# KiCad board INS-1 Matrix Display.kicad_pcb (continued)
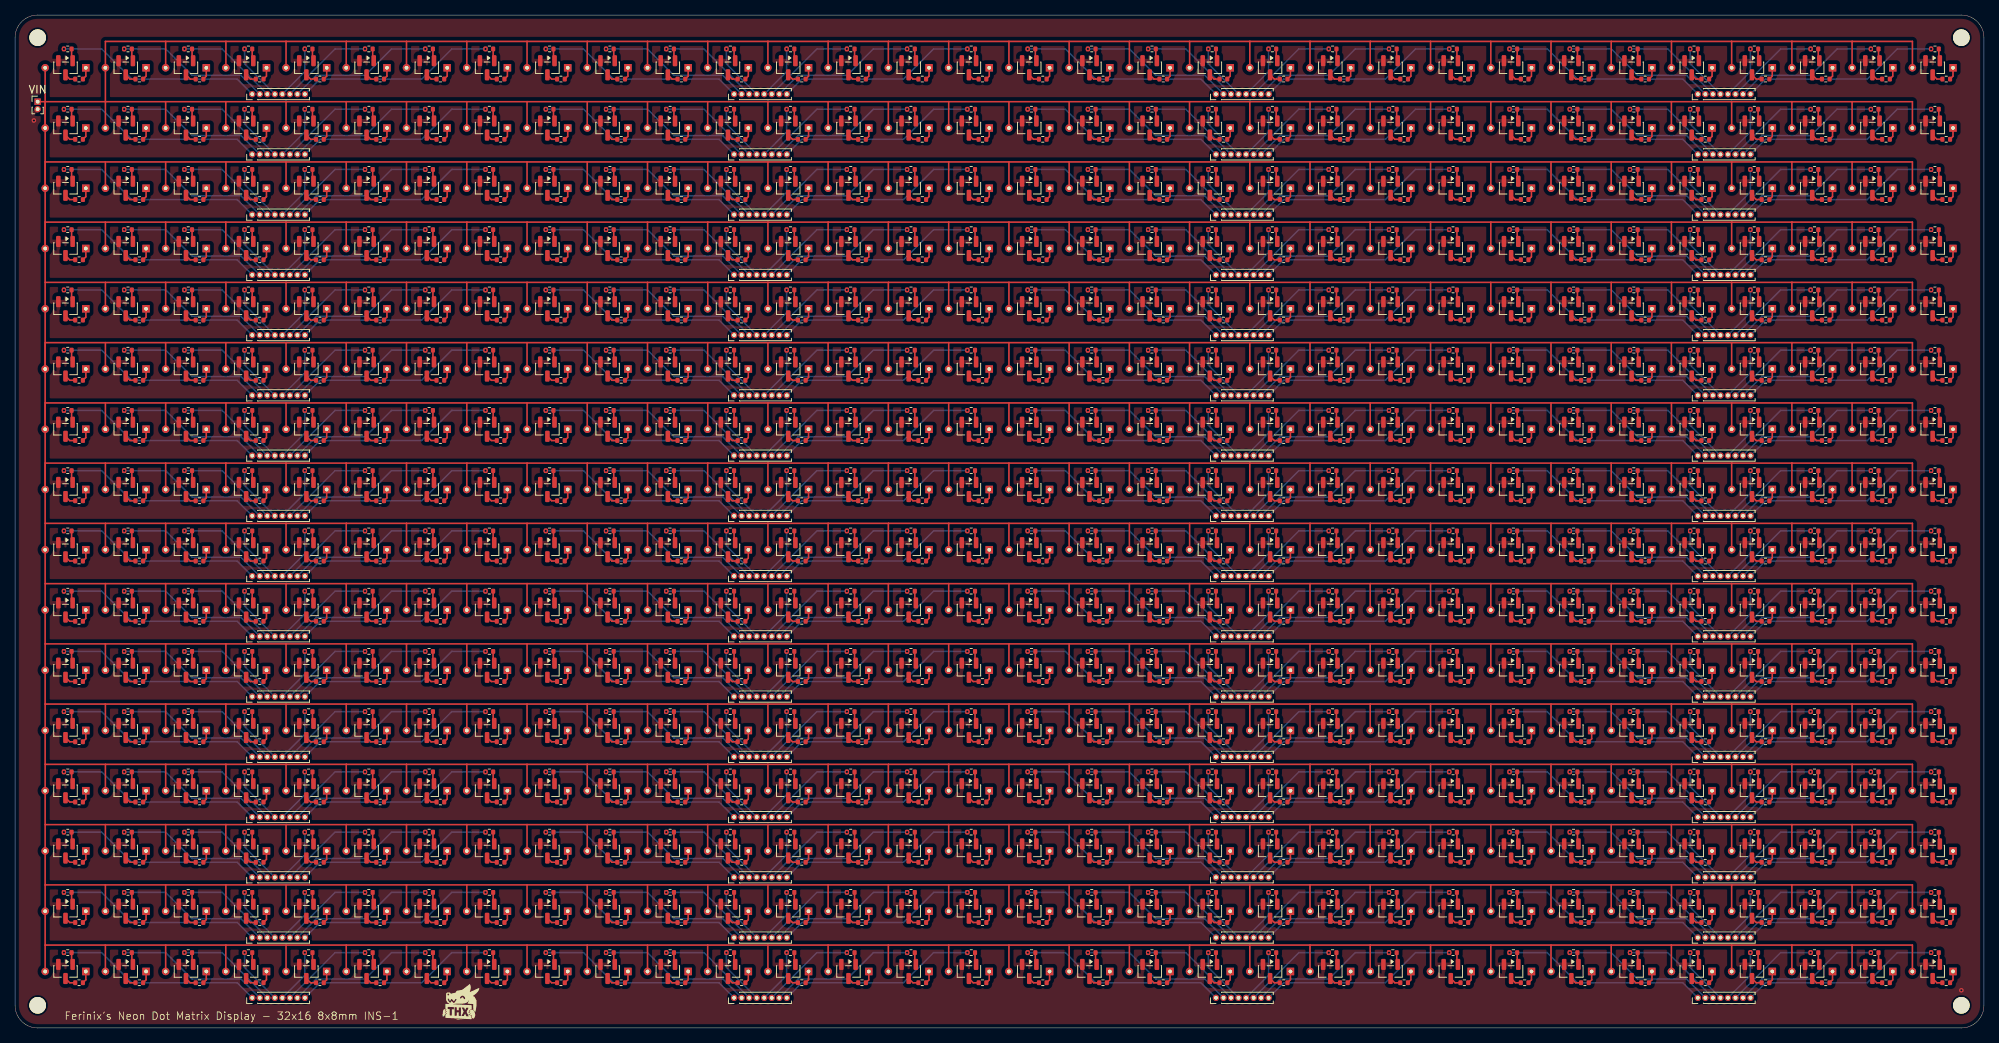
[diagram p0: board, top side]
## Placement (name value [footprint] x y rotation side) (continued)
G***  LOGO  [dragnthx]  58.78 -8.89 0 top
MMBTA42  -  [SOT-23]  94.69 55.5 270 top
MMBTA42#2  -  [SOT-23]  134.7 15.5 270 top
MMBTA42#3  -  [SOT-23]  54.69 79.5 270 top
MMBTA42#4  -  [SOT-23]  6.7 47.5 270 top
MMBTA42#5  -  [SOT-23]  54.69 7.5 270 top
MMBTA42#6  -  [SOT-23]  166.69 55.5 270 top
MMBTA42#7  -  [SOT-23]  198.7 111.5 270 top
MMBTA42#8  -  [SOT-23]  78.7 63.5 270 top
MMBTA42#9  -  [SOT-23]  126.69 15.5 270 top
MMBTA42#10  -  [SOT-23]  134.7 127.5 270 top
MMBTA42#11  -  [SOT-23]  158.69 87.5 270 top
MMBTA42#12  -  [SOT-23]  214.7 119.5 270 top
MMBTA42#13  -  [SOT-23]  206.7 103.5 270 top
MMBTA42#14  -  [SOT-23]  206.7 79.5 270 top
MMBTA42#15  -  [SOT-23]  54.69 87.5 270 top
MMBTA42#16  -  [SOT-23]  214.7 31.5 270 top
MMBTA42#17  -  [SOT-23]  110.69 39.5 270 top
MMBTA42#18  -  [SOT-23]  78.7 47.5 270 top
MMBTA42#19  -  [SOT-23]  182.69 127.5 270 top
MMBTA42#20  -  [SOT-23]  38.69 119.5 270 top
MMBTA42#21  -  [SOT-23]  230.69 87.5 270 top
MMBTA42#22  -  [SOT-23]  206.7 47.5 270 top
MMBTA42#23  -  [SOT-23]  190.69 31.5 270 top
MMBTA42#24  -  [SOT-23]  158.69 79.5 270 top
MMBTA42#25  -  [SOT-23]  22.7 15.5 270 top
MMBTA42#26  -  [SOT-23]  78.7 87.5 270 top
MMBTA42#27  -  [SOT-23]  46.69 47.5 270 top
MMBTA42#28  -  [SOT-23]  182.69 39.5 270 top
MMBTA42#29  -  [SOT-23]  134.7 71.5 270 top
MMBTA42#30  -  [SOT-23]  238.69 103.5 270 top
MMBTA42#31  -  [SOT-23]  174.69 23.5 270 top
MMBTA42#32  -  [SOT-23]  46.69 87.5 270 top
MMBTA42#33  -  [SOT-23]  86.7 47.5 270 top
MMBTA42#34  -  [SOT-23]  190.69 103.5 270 top
MMBTA42#35  -  [SOT-23]  222.69 47.5 270 top
MMBTA42#36  -  [SOT-23]  86.7 7.5 270 top
MMBTA42#37  -  [SOT-23]  14.7 63.5 270 top
MMBTA42#38  -  [SOT-23]  134.7 95.5 270 top
MMBTA42#39  -  [SOT-23]  118.69 23.5 270 top
MMBTA42#40  -  [SOT-23]  230.69 47.5 270 top
MMBTA42#41  -  [SOT-23]  182.69 103.5 270 top
MMBTA42#42  -  [SOT-23]  102.69 95.5 270 top
MMBTA42#43  -  [SOT-23]  174.69 127.5 270 top
MMBTA42#44  -  [SOT-23]  62.69 23.5 270 top
MMBTA42#45  -  [SOT-23]  14.7 23.5 270 top
MMBTA42#46  -  [SOT-23]  158.69 119.5 270 top
MMBTA42#47  -  [SOT-23]  182.69 71.5 270 top
MMBTA42#48  -  [SOT-23]  86.7 87.5 270 top
MMBTA42#49  -  [SOT-23]  150.7 103.5 270 top
MMBTA42#50  -  [SOT-23]  222.69 31.5 270 top
MMBTA42#51  -  [SOT-23]  110.69 127.5 270 top
MMBTA42#52  -  [SOT-23]  254.69 79.5 270 top
MMBTA42#53  -  [SOT-23]  102.69 55.5 270 top
MMBTA42#54  -  [SOT-23]  246.69 7.5 270 top
MMBTA42#55  -  [SOT-23]  142.7 71.5 270 top
MMBTA42#56  -  [SOT-23]  198.7 87.5 270 top
MMBTA42#57  -  [SOT-23]  86.7 23.5 270 top
MMBTA42#58  -  [SOT-23]  166.69 127.5 270 top
MMBTA42#59  -  [SOT-23]  182.69 79.5 270 top
MMBTA42#60  -  [SOT-23]  254.69 103.5 270 top
MMBTA42#61  -  [SOT-23]  190.69 95.5 270 top
MMBTA42#62  -  [SOT-23]  14.7 127.5 270 top
MMBTA42#63  -  [SOT-23]  38.69 7.5 270 top
MMBTA42#64  -  [SOT-23]  190.69 87.5 270 top
MMBTA42#65  -  [SOT-23]  174.69 55.5 270 top
MMBTA42#66  -  [SOT-23]  222.69 63.5 270 top
MMBTA42#67  -  [SOT-23]  102.69 7.5 270 top
MMBTA42#68  -  [SOT-23]  150.7 95.5 270 top
MMBTA42#69  -  [SOT-23]  134.7 103.5 270 top
MMBTA42#70  -  [SOT-23]  238.69 71.5 270 top
MMBTA42#71  -  [SOT-23]  246.69 119.5 270 top
MMBTA42#72  -  [SOT-23]  94.69 71.5 270 top
MMBTA42#73  -  [SOT-23]  62.69 39.5 270 top
MMBTA42#74  -  [SOT-23]  254.69 31.5 270 top
MMBTA42#75  -  [SOT-23]  70.7 39.5 270 top
MMBTA42#76  -  [SOT-23]  78.7 111.5 270 top
MMBTA42#77  -  [SOT-23]  134.7 119.5 270 top
MMBTA42#78  -  [SOT-23]  118.69 71.5 270 top
MMBTA42#79  -  [SOT-23]  6.7 127.5 270 top
MMBTA42#80  -  [SOT-23]  190.69 55.5 270 top
MMBTA42#81  -  [SOT-23]  254.69 127.5 270 top
MMBTA42#82  -  [SOT-23]  126.69 31.5 270 top
MMBTA42#83  -  [SOT-23]  222.69 39.5 270 top
MMBTA42#84  -  [SOT-23]  62.69 71.5 270 top
MMBTA42#85  -  [SOT-23]  206.7 71.5 270 top
MMBTA42#86  -  [SOT-23]  142.7 47.5 270 top
MMBTA42#87  -  [SOT-23]  126.69 47.5 270 top
MMBTA42#88  -  [SOT-23]  86.7 63.5 270 top
MMBTA42#89  -  [SOT-23]  206.7 119.5 270 top
MMBTA42#90  -  [SOT-23]  62.69 119.5 270 top
MMBTA42#91  -  [SOT-23]  94.69 79.5 270 top
MMBTA42#92  -  [SOT-23]  150.7 111.5 270 top
MMBTA42#93  -  [SOT-23]  198.7 55.5 270 top
MMBTA42#94  -  [SOT-23]  126.69 95.5 270 top
MMBTA42#95  -  [SOT-23]  110.69 15.5 270 top
MMBTA42#96  -  [SOT-23]  190.69 63.5 270 top
MMBTA42#97  -  [SOT-23]  174.69 63.5 270 top
MMBTA42#98  -  [SOT-23]  214.7 47.5 270 top
MMBTA42#99  -  [SOT-23]  6.7 55.5 270 top
MMBTA42#100  -  [SOT-23]  30.69 79.5 270 top
MMBTA42#101  -  [SOT-23]  142.7 31.5 270 top
MMBTA42#102  -  [SOT-23]  182.69 63.5 270 top
MMBTA42#103  -  [SOT-23]  174.69 111.5 270 top
MMBTA42#104  -  [SOT-23]  6.7 39.5 270 top
MMBTA42#105  -  [SOT-23]  150.7 71.5 270 top
MMBTA42#106  -  [SOT-23]  182.69 23.5 270 top
MMBTA42#107  -  [SOT-23]  30.69 119.5 270 top
MMBTA42#108  -  [SOT-23]  70.7 23.5 270 top
MMBTA42#109  -  [SOT-23]  158.69 95.5 270 top
MMBTA42#110  -  [SOT-23]  46.69 63.5 270 top
MMBTA42#111  -  [SOT-23]  158.69 71.5 270 top
MMBTA42#112  -  [SOT-23]  46.69 103.5 270 top
MMBTA42#113  -  [SOT-23]  198.7 79.5 270 top
MMBTA42#114  -  [SOT-23]  54.69 47.5 270 top
MMBTA42#115  -  [SOT-23]  190.69 47.5 270 top
MMBTA42#116  -  [SOT-23]  238.69 31.5 270 top
MMBTA42#117  -  [SOT-23]  94.69 103.5 270 top
MMBTA42#118  -  [SOT-23]  198.7 23.5 270 top
MMBTA42#119  -  [SOT-23]  214.7 127.5 270 top
MMBTA42#120  -  [SOT-23]  54.69 23.5 270 top
MMBTA42#121  -  [SOT-23]  126.69 55.5 270 top
MMBTA42#122  -  [SOT-23]  70.7 127.5 270 top
MMBTA42#123  -  [SOT-23]  166.69 111.5 270 top
MMBTA42#124  -  [SOT-23]  214.7 79.5 270 top
MMBTA42#125  -  [SOT-23]  238.69 119.5 270 top
MMBTA42#126  -  [SOT-23]  14.7 7.5 270 top
MMBTA42#127  -  [SOT-23]  254.69 47.5 270 top
MMBTA42#128  -  [SOT-23]  222.69 119.5 270 top
MMBTA42#129  -  [SOT-23]  134.7 39.5 270 top
MMBTA42#130  -  [SOT-23]  46.69 71.5 270 top
MMBTA42#131  -  [SOT-23]  102.69 39.5 270 top
MMBTA42#132  -  [SOT-23]  182.69 119.5 270 top
MMBTA42#133  -  [SOT-23]  230.69 15.5 270 top
MMBTA42#134  -  [SOT-23]  230.69 119.5 270 top
MMBTA42#135  -  [SOT-23]  54.69 103.5 270 top
MMBTA42#136  -  [SOT-23]  142.7 23.5 270 top
MMBTA42#137  -  [SOT-23]  102.69 15.5 270 top
MMBTA42#138  -  [SOT-23]  158.69 15.5 270 top
MMBTA42#139  -  [SOT-23]  6.7 23.5 270 top
MMBTA42#140  -  [SOT-23]  46.69 111.5 270 top
MMBTA42#141  -  [SOT-23]  110.69 119.5 270 top
MMBTA42#142  -  [SOT-23]  182.69 47.5 270 top
MMBTA42#143  -  [SOT-23]  230.69 127.5 270 top
MMBTA42#144  -  [SOT-23]  110.69 55.5 270 top
MMBTA42#145  -  [SOT-23]  86.7 71.5 270 top
MMBTA42#146  -  [SOT-23]  238.69 39.5 270 top
MMBTA42#147  -  [SOT-23]  150.7 7.5 270 top
MMBTA42#148  -  [SOT-23]  30.69 15.5 270 top
MMBTA42#149  -  [SOT-23]  222.69 95.5 270 top
MMBTA42#150  -  [SOT-23]  238.69 7.5 270 top
MMBTA42#151  -  [SOT-23]  110.69 7.5 270 top
MMBTA42#152  -  [SOT-23]  126.69 119.5 270 top
MMBTA42#153  -  [SOT-23]  222.69 111.5 270 top
MMBTA42#154  -  [SOT-23]  110.69 71.5 270 top
MMBTA42#155  -  [SOT-23]  94.69 95.5 270 top
MMBTA42#156  -  [SOT-23]  30.69 47.5 270 top
MMBTA42#157  -  [SOT-23]  214.7 23.5 270 top
MMBTA42#158  -  [SOT-23]  190.69 7.5 270 top
MMBTA42#159  -  [SOT-23]  198.7 63.5 270 top
MMBTA42#160  -  [SOT-23]  86.7 127.5 270 top
MMBTA42#161  -  [SOT-23]  254.69 119.5 270 top
MMBTA42#162  -  [SOT-23]  230.69 79.5 270 top
MMBTA42#163  -  [SOT-23]  94.69 15.5 270 top
MMBTA42#164  -  [SOT-23]  118.69 31.5 270 top
MMBTA42#165  -  [SOT-23]  62.69 47.5 270 top
MMBTA42#166  -  [SOT-23]  46.69 127.5 270 top
MMBTA42#167  -  [SOT-23]  38.69 87.5 270 top
MMBTA42#168  -  [SOT-23]  62.69 63.5 270 top
MMBTA42#169  -  [SOT-23]  150.7 39.5 270 top
MMBTA42#170  -  [SOT-23]  230.69 55.5 270 top
MMBTA42#171  -  [SOT-23]  190.69 39.5 270 top
MMBTA42#172  -  [SOT-23]  6.7 7.5 270 top
MMBTA42#173  -  [SOT-23]  62.69 31.5 270 top
MMBTA42#174  -  [SOT-23]  14.7 119.5 270 top
MMBTA42#175  -  [SOT-23]  166.69 63.5 270 top
MMBTA42#176  -  [SOT-23]  222.69 23.5 270 top
MMBTA42#177  -  [SOT-23]  94.69 39.5 270 top
MMBTA42#178  -  [SOT-23]  78.7 39.5 270 top
MMBTA42#179  -  [SOT-23]  62.69 55.5 270 top
MMBTA42#180  -  [SOT-23]  126.69 71.5 270 top
MMBTA42#181  -  [SOT-23]  94.69 119.5 270 top
MMBTA42#182  -  [SOT-23]  22.7 111.5 270 top
MMBTA42#183  -  [SOT-23]  78.7 7.5 270 top
MMBTA42#184  -  [SOT-23]  174.69 79.5 270 top
MMBTA42#185  -  [SOT-23]  222.69 127.5 270 top
MMBTA42#186  -  [SOT-23]  6.7 103.5 270 top
MMBTA42#187  -  [SOT-23]  134.7 7.5 270 top
MMBTA42#188  -  [SOT-23]  22.7 103.5 270 top
MMBTA42#189  -  [SOT-23]  134.7 55.5 270 top
MMBTA42#190  -  [SOT-23]  158.69 23.5 270 top
MMBTA42#191  -  [SOT-23]  222.69 79.5 270 top
MMBTA42#192  -  [SOT-23]  246.69 111.5 270 top
MMBTA42#193  -  [SOT-23]  30.69 7.5 270 top
MMBTA42#194  -  [SOT-23]  86.7 31.5 270 top
MMBTA42#195  -  [SOT-23]  94.69 127.5 270 top
MMBTA42#196  -  [SOT-23]  150.7 87.5 270 top
MMBTA42#197  -  [SOT-23]  30.69 103.5 270 top
MMBTA42#198  -  [SOT-23]  158.69 39.5 270 top
MMBTA42#199  -  [SOT-23]  246.69 103.5 270 top
MMBTA42#200  -  [SOT-23]  62.69 127.5 270 top
MMBTA42#201  -  [SOT-23]  254.69 95.5 270 top
MMBTA42#202  -  [SOT-23]  22.7 55.5 270 top
MMBTA42#203  -  [SOT-23]  206.7 31.5 270 top
MMBTA42#204  -  [SOT-23]  206.7 39.5 270 top
MMBTA42#205  -  [SOT-23]  246.69 63.5 270 top
MMBTA42#206  -  [SOT-23]  46.69 79.5 270 top
MMBTA42#207  -  [SOT-23]  150.7 55.5 270 top
MMBTA42#208  -  [SOT-23]  102.69 79.5 270 top
MMBTA42#209  -  [SOT-23]  158.69 55.5 270 top
MMBTA42#210  -  [SOT-23]  102.69 47.5 270 top
MMBTA42#211  -  [SOT-23]  126.69 103.5 270 top
MMBTA42#212  -  [SOT-23]  182.69 31.5 270 top
MMBTA42#213  -  [SOT-23]  54.69 15.5 270 top
MMBTA42#214  -  [SOT-23]  214.7 63.5 270 top
MMBTA42#215  -  [SOT-23]  198.7 31.5 270 top
MMBTA42#216  -  [SOT-23]  206.7 55.5 270 top
MMBTA42#217  -  [SOT-23]  254.69 55.5 270 top
MMBTA42#218  -  [SOT-23]  206.7 127.5 270 top
MMBTA42#219  -  [SOT-23]  38.69 39.5 270 top
MMBTA42#220  -  [SOT-23]  6.7 87.5 270 top
MMBTA42#221  -  [SOT-23]  206.7 63.5 270 top
MMBTA42#222  -  [SOT-23]  150.7 15.5 270 top
MMBTA42#223  -  [SOT-23]  166.69 87.5 270 top
MMBTA42#224  -  [SOT-23]  198.7 39.5 270 top
MMBTA42#225  -  [SOT-23]  126.69 63.5 270 top
MMBTA42#226  -  [SOT-23]  78.7 127.5 270 top
MMBTA42#227  -  [SOT-23]  110.69 103.5 270 top
MMBTA42#228  -  [SOT-23]  206.7 87.5 270 top
MMBTA42#229  -  [SOT-23]  246.69 15.5 270 top
MMBTA42#230  -  [SOT-23]  134.7 111.5 270 top
MMBTA42#231  -  [SOT-23]  14.7 71.5 270 top
MMBTA42#232  -  [SOT-23]  142.7 119.5 270 top
MMBTA42#233  -  [SOT-23]  166.69 39.5 270 top
MMBTA42#234  -  [SOT-23]  246.69 39.5 270 top
MMBTA42#235  -  [SOT-23]  46.69 15.5 270 top
MMBTA42#236  -  [SOT-23]  142.7 111.5 270 top
MMBTA42#237  -  [SOT-23]  254.69 87.5 270 top
MMBTA42#238  -  [SOT-23]  86.7 111.5 270 top
MMBTA42#239  -  [SOT-23]  118.69 55.5 270 top
MMBTA42#240  -  [SOT-23]  222.69 87.5 270 top
MMBTA42#241  -  [SOT-23]  230.69 111.5 270 top
MMBTA42#242  -  [SOT-23]  70.7 95.5 270 top
MMBTA42#243  -  [SOT-23]  206.7 23.5 270 top
MMBTA42#244  -  [SOT-23]  166.69 119.5 270 top
MMBTA42#245  -  [SOT-23]  198.7 15.5 270 top
MMBTA42#246  -  [SOT-23]  214.7 7.5 270 top
MMBTA42#247  -  [SOT-23]  118.69 39.5 270 top
MMBTA42#248  -  [SOT-23]  62.69 7.5 270 top
MMBTA42#249  -  [SOT-23]  142.7 63.5 270 top
MMBTA42#250  -  [SOT-23]  126.69 127.5 270 top
MMBTA42#251  -  [SOT-23]  6.7 63.5 270 top
MMBTA42#252  -  [SOT-23]  222.69 71.5 270 top
MMBTA42#253  -  [SOT-23]  182.69 55.5 270 top
MMBTA42#254  -  [SOT-23]  174.69 119.5 270 top
MMBTA42#255  -  [SOT-23]  14.7 79.5 270 top
MMBTA42#256  -  [SOT-23]  102.69 111.5 270 top
MMBTA42#257  -  [SOT-23]  30.69 55.5 270 top
MMBTA42#258  -  [SOT-23]  174.69 71.5 270 top
MMBTA42#259  -  [SOT-23]  246.69 127.5 270 top
MMBTA42#260  -  [SOT-23]  102.69 103.5 270 top
MMBTA42#261  -  [SOT-23]  110.69 95.5 270 top
MMBTA42#262  -  [SOT-23]  118.69 111.5 270 top
MMBTA42#263  -  [SOT-23]  102.69 119.5 270 top
MMBTA42#264  -  [SOT-23]  246.69 47.5 270 top
MMBTA42#265  -  [SOT-23]  110.69 87.5 270 top
MMBTA42#266  -  [SOT-23]  126.69 23.5 270 top
MMBTA42#267  -  [SOT-23]  54.69 71.5 270 top
MMBTA42#268  -  [SOT-23]  246.69 79.5 270 top
MMBTA42#269  -  [SOT-23]  150.7 47.5 270 top
MMBTA42#270  -  [SOT-23]  70.7 31.5 270 top
MMBTA42#271  -  [SOT-23]  78.7 103.5 270 top
MMBTA42#272  -  [SOT-23]  22.7 7.5 270 top
MMBTA42#273  -  [SOT-23]  166.69 71.5 270 top
MMBTA42#274  -  [SOT-23]  14.7 95.5 270 top
MMBTA42#275  -  [SOT-23]  94.69 7.5 270 top
MMBTA42#276  -  [SOT-23]  78.7 15.5 270 top
MMBTA42#277  -  [SOT-23]  6.7 119.5 270 top
MMBTA42#278  -  [SOT-23]  246.69 31.5 270 top
MMBTA42#279  -  [SOT-23]  22.7 71.5 270 top
MMBTA42#280  -  [SOT-23]  30.69 39.5 270 top
MMBTA42#281  -  [SOT-23]  118.69 47.5 270 top
MMBTA42#282  -  [SOT-23]  6.7 95.5 270 top
MMBTA42#283  -  [SOT-23]  190.69 15.5 270 top
MMBTA42#284  -  [SOT-23]  254.69 111.5 270 top
MMBTA42#285  -  [SOT-23]  246.69 71.5 270 top
MMBTA42#286  -  [SOT-23]  14.7 15.5 270 top
MMBTA42#287  -  [SOT-23]  222.69 15.5 270 top
MMBTA42#288  -  [SOT-23]  230.69 63.5 270 top
MMBTA42#289  -  [SOT-23]  86.7 103.5 270 top
MMBTA42#290  -  [SOT-23]  70.7 87.5 270 top
MMBTA42#291  -  [SOT-23]  198.7 47.5 270 top
MMBTA42#292  -  [SOT-23]  22.7 63.5 270 top
MMBTA42#293  -  [SOT-23]  174.69 15.5 270 top
MMBTA42#294  -  [SOT-23]  102.69 23.5 270 top
MMBTA42#295  -  [SOT-23]  118.69 15.5 270 top
MMBTA42#296  -  [SOT-23]  62.69 95.5 270 top
MMBTA42#297  -  [SOT-23]  238.69 47.5 270 top
MMBTA42#298  -  [SOT-23]  118.69 7.5 270 top
MMBTA42#299  -  [SOT-23]  102.69 127.5 270 top
MMBTA42#300  -  [SOT-23]  54.69 111.5 270 top
MMBTA42#301  -  [SOT-23]  38.69 63.5 270 top
MMBTA42#302  -  [SOT-23]  110.69 47.5 270 top
MMBTA42#303  -  [SOT-23]  22.7 39.5 270 top
MMBTA42#304  -  [SOT-23]  118.69 95.5 270 top
MMBTA42#305  -  [SOT-23]  54.69 95.5 270 top
MMBTA42#306  -  [SOT-23]  246.69 87.5 270 top
MMBTA42#307  -  [SOT-23]  238.69 127.5 270 top
MMBTA42#308  -  [SOT-23]  198.7 119.5 270 top
MMBTA42#309  -  [SOT-23]  166.69 103.5 270 top
MMBTA42#310  -  [SOT-23]  46.69 55.5 270 top
MMBTA42#311  -  [SOT-23]  230.69 7.5 270 top
MMBTA42#312  -  [SOT-23]  54.69 63.5 270 top
MMBTA42#313  -  [SOT-23]  214.7 103.5 270 top
MMBTA42#314  -  [SOT-23]  46.69 23.5 270 top
MMBTA42#315  -  [SOT-23]  126.69 87.5 270 top
MMBTA42#316  -  [SOT-23]  38.69 103.5 270 top
MMBTA42#317  -  [SOT-23]  254.69 39.5 270 top
MMBTA42#318  -  [SOT-23]  142.7 79.5 270 top
MMBTA42#319  -  [SOT-23]  174.69 87.5 270 top
MMBTA42#320  -  [SOT-23]  70.7 63.5 270 top
MMBTA42#321  -  [SOT-23]  38.69 79.5 270 top
MMBTA42#322  -  [SOT-23]  230.69 23.5 270 top
MMBTA42#323  -  [SOT-23]  174.69 103.5 270 top
MMBTA42#324  -  [SOT-23]  238.69 79.5 270 top
MMBTA42#325  -  [SOT-23]  102.69 31.5 270 top
MMBTA42#326  -  [SOT-23]  158.69 31.5 270 top
MMBTA42#327  -  [SOT-23]  206.7 95.5 270 top
MMBTA42#328  -  [SOT-23]  102.69 63.5 270 top
MMBTA42#329  -  [SOT-23]  126.69 39.5 270 top
MMBTA42#330  -  [SOT-23]  14.7 55.5 270 top
MMBTA42#331  -  [SOT-23]  142.7 87.5 270 top
MMBTA42#332  -  [SOT-23]  214.7 71.5 270 top
MMBTA42#333  -  [SOT-23]  150.7 127.5 270 top
MMBTA42#334  -  [SOT-23]  110.69 111.5 270 top
MMBTA42#335  -  [SOT-23]  254.69 15.5 270 top
MMBTA42#336  -  [SOT-23]  190.69 79.5 270 top
MMBTA42#337  -  [SOT-23]  14.7 39.5 270 top
MMBTA42#338  -  [SOT-23]  254.69 7.5 270 top
MMBTA42#339  -  [SOT-23]  22.7 87.5 270 top
MMBTA42#340  -  [SOT-23]  230.69 103.5 270 top
MMBTA42#341  -  [SOT-23]  46.69 119.5 270 top
MMBTA42#342  -  [SOT-23]  14.7 47.5 270 top
MMBTA42#343  -  [SOT-23]  182.69 111.5 270 top
MMBTA42#344  -  [SOT-23]  78.7 95.5 270 top
MMBTA42#345  -  [SOT-23]  198.7 95.5 270 top
MMBTA42#346  -  [SOT-23]  174.69 95.5 270 top
MMBTA42#347  -  [SOT-23]  238.69 63.5 270 top
MMBTA42#348  -  [SOT-23]  30.69 23.5 270 top
MMBTA42#349  -  [SOT-23]  86.7 39.5 270 top
MMBTA42#350  -  [SOT-23]  38.69 127.5 270 top
MMBTA42#351  -  [SOT-23]  62.69 79.5 270 top
MMBTA42#352  -  [SOT-23]  182.69 87.5 270 top
MMBTA42#353  -  [SOT-23]  86.7 119.5 270 top
MMBTA42#354  -  [SOT-23]  166.69 95.5 270 top
MMBTA42#355  -  [SOT-23]  6.7 15.5 270 top
MMBTA42#356  -  [SOT-23]  38.69 31.5 270 top
MMBTA42#357  -  [SOT-23]  190.69 127.5 270 top
MMBTA42#358  -  [SOT-23]  102.69 87.5 270 top
MMBTA42#359  -  [SOT-23]  198.7 127.5 270 top
MMBTA42#360  -  [SOT-23]  230.69 31.5 270 top
MMBTA42#361  -  [SOT-23]  54.69 39.5 270 top
MMBTA42#362  -  [SOT-23]  22.7 79.5 270 top
MMBTA42#363  -  [SOT-23]  118.69 63.5 270 top
MMBTA42#364  -  [SOT-23]  222.69 7.5 270 top
MMBTA42#365  -  [SOT-23]  158.69 103.5 270 top
MMBTA42#366  -  [SOT-23]  70.7 15.5 270 top
MMBTA42#367  -  [SOT-23]  230.69 95.5 270 top
MMBTA42#368  -  [SOT-23]  206.7 111.5 270 top
MMBTA42#369  -  [SOT-23]  38.69 47.5 270 top
MMBTA42#370  -  [SOT-23]  190.69 23.5 270 top
MMBTA42#371  -  [SOT-23]  238.69 111.5 270 top
MMBTA42#372  -  [SOT-23]  222.69 55.5 270 top
MMBTA42#373  -  [SOT-23]  206.7 7.5 270 top
MMBTA42#374  -  [SOT-23]  166.69 23.5 270 top
MMBTA42#375  -  [SOT-23]  102.69 71.5 270 top
MMBTA42#376  -  [SOT-23]  30.69 95.5 270 top
MMBTA42#377  -  [SOT-23]  70.7 71.5 270 top
MMBTA42#378  -  [SOT-23]  70.7 79.5 270 top
MMBTA42#379  -  [SOT-23]  46.69 39.5 270 top
MMBTA42#380  -  [SOT-23]  118.69 103.5 270 top
MMBTA42#381  -  [SOT-23]  38.69 23.5 270 top
MMBTA42#382  -  [SOT-23]  166.69 31.5 270 top
MMBTA42#383  -  [SOT-23]  150.7 63.5 270 top
MMBTA42#384  -  [SOT-23]  94.69 111.5 270 top
MMBTA42#385  -  [SOT-23]  94.69 23.5 270 top
MMBTA42#386  -  [SOT-23]  30.69 127.5 270 top
MMBTA42#387  -  [SOT-23]  14.7 103.5 270 top
MMBTA42#388  -  [SOT-23]  46.69 31.5 270 top
MMBTA42#389  -  [SOT-23]  38.69 71.5 270 top
MMBTA42#390  -  [SOT-23]  94.69 47.5 270 top
MMBTA42#391  -  [SOT-23]  198.7 103.5 270 top
MMBTA42#392  -  [SOT-23]  22.7 127.5 270 top
MMBTA42#393  -  [SOT-23]  94.69 63.5 270 top
MMBTA42#394  -  [SOT-23]  22.7 47.5 270 top
MMBTA42#395  -  [SOT-23]  14.7 31.5 270 top
MMBTA42#396  -  [SOT-23]  190.69 119.5 270 top
MMBTA42#397  -  [SOT-23]  70.7 103.5 270 top
MMBTA42#398  -  [SOT-23]  70.7 111.5 270 top
MMBTA42#399  -  [SOT-23]  30.69 63.5 270 top
MMBTA42#400  -  [SOT-23]  70.7 7.5 270 top
MMBTA42#401  -  [SOT-23]  78.7 79.5 270 top
MMBTA42#402  -  [SOT-23]  142.7 15.5 270 top
MMBTA42#403  -  [SOT-23]  110.69 23.5 270 top
MMBTA42#404  -  [SOT-23]  214.7 39.5 270 top
MMBTA42#405  -  [SOT-23]  190.69 71.5 270 top
MMBTA42#406  -  [SOT-23]  38.69 95.5 270 top
MMBTA42#407  -  [SOT-23]  166.69 79.5 270 top
MMBTA42#408  -  [SOT-23]  54.69 127.5 270 top
MMBTA42#409  -  [SOT-23]  46.69 95.5 270 top
MMBTA42#410  -  [SOT-23]  158.69 127.5 270 top
MMBTA42#411  -  [SOT-23]  158.69 7.5 270 top
MMBTA42#412  -  [SOT-23]  110.69 63.5 270 top
MMBTA42#413  -  [SOT-23]  94.69 31.5 270 top
MMBTA42#414  -  [SOT-23]  86.7 15.5 270 top
MMBTA42#415  -  [SOT-23]  142.7 39.5 270 top
MMBTA42#416  -  [SOT-23]  38.69 55.5 270 top
MMBTA42#417  -  [SOT-23]  6.7 111.5 270 top
MMBTA42#418  -  [SOT-23]  158.69 111.5 270 top
MMBTA42#419  -  [SOT-23]  118.69 87.5 270 top
MMBTA42#420  -  [SOT-23]  62.69 111.5 270 top
MMBTA42#421  -  [SOT-23]  126.69 111.5 270 top
MMBTA42#422  -  [SOT-23]  174.69 39.5 270 top
MMBTA42#423  -  [SOT-23]  134.7 87.5 270 top
MMBTA42#424  -  [SOT-23]  230.69 71.5 270 top
MMBTA42#425  -  [SOT-23]  214.7 111.5 270 top
MMBTA42#426  -  [SOT-23]  238.69 55.5 270 top
MMBTA42#427  -  [SOT-23]  70.7 47.5 270 top
MMBTA42#428  -  [SOT-23]  254.69 71.5 270 top
MMBTA42#429  -  [SOT-23]  182.69 15.5 270 top
MMBTA42#430  -  [SOT-23]  166.69 47.5 270 top
MMBTA42#431  -  [SOT-23]  86.7 79.5 270 top
MMBTA42#432  -  [SOT-23]  134.7 31.5 270 top
MMBTA42#433  -  [SOT-23]  158.69 47.5 270 top
MMBTA42#434  -  [SOT-23]  78.7 55.5 270 top
MMBTA42#435  -  [SOT-23]  14.7 111.5 270 top
MMBTA42#436  -  [SOT-23]  62.69 87.5 270 top
MMBTA42#437  -  [SOT-23]  22.7 31.5 270 top
MMBTA42#438  -  [SOT-23]  174.69 47.5 270 top
MMBTA42#439  -  [SOT-23]  238.69 23.5 270 top
MMBTA42#440  -  [SOT-23]  70.7 119.5 270 top
MMBTA42#441  -  [SOT-23]  86.7 55.5 270 top
MMBTA42#442  -  [SOT-23]  126.69 79.5 270 top
MMBTA42#443  -  [SOT-23]  198.7 71.5 270 top
MMBTA42#444  -  [SOT-23]  54.69 31.5 270 top
MMBTA42#445  -  [SOT-23]  238.69 87.5 270 top
MMBTA42#446  -  [SOT-23]  142.7 7.5 270 top
MMBTA42#447  -  [SOT-23]  222.69 103.5 270 top
MMBTA42#448  -  [SOT-23]  166.69 15.5 270 top
MMBTA42#449  -  [SOT-23]  94.69 87.5 270 top
MMBTA42#450  -  [SOT-23]  230.69 39.5 270 top
MMBTA42#451  -  [SOT-23]  246.69 55.5 270 top
MMBTA42#452  -  [SOT-23]  62.69 15.5 270 top
MMBTA42#453  -  [SOT-23]  126.69 7.5 270 top
MMBTA42#454  -  [SOT-23]  62.69 103.5 270 top
MMBTA42#455  -  [SOT-23]  14.7 87.5 270 top
MMBTA42#456  -  [SOT-23]  214.7 15.5 270 top
MMBTA42#457  -  [SOT-23]  150.7 31.5 270 top
MMBTA42#458  -  [SOT-23]  182.69 95.5 270 top
MMBTA42#459  -  [SOT-23]  174.69 31.5 270 top
MMBTA42#460  -  [SOT-23]  78.7 23.5 270 top
MMBTA42#461  -  [SOT-23]  142.7 55.5 270 top
MMBTA42#462  -  [SOT-23]  134.7 63.5 270 top
MMBTA42#463  -  [SOT-23]  30.69 31.5 270 top
MMBTA42#464  -  [SOT-23]  142.7 127.5 270 top
MMBTA42#465  -  [SOT-23]  22.7 23.5 270 top
MMBTA42#466  -  [SOT-23]  142.7 103.5 270 top
MMBTA42#467  -  [SOT-23]  214.7 55.5 270 top
MMBTA42#468  -  [SOT-23]  150.7 79.5 270 top
MMBTA42#469  -  [SOT-23]  38.69 111.5 270 top
MMBTA42#470  -  [SOT-23]  166.69 7.5 270 top
MMBTA42#471  -  [SOT-23]  238.69 15.5 270 top
MMBTA42#472  -  [SOT-23]  110.69 79.5 270 top
MMBTA42#473  -  [SOT-23]  134.7 23.5 270 top
MMBTA42#474  -  [SOT-23]  118.69 127.5 270 top
MMBTA42#475  -  [SOT-23]  158.69 63.5 270 top
MMBTA42#476  -  [SOT-23]  86.7 95.5 270 top
MMBTA42#477  -  [SOT-23]  174.69 7.5 270 top
MMBTA42#478  -  [SOT-23]  190.69 111.5 270 top
MMBTA42#479  -  [SOT-23]  38.69 15.5 270 top
MMBTA42#480  -  [SOT-23]  134.7 79.5 270 top
MMBTA42#481  -  [SOT-23]  30.69 71.5 270 top
MMBTA42#482  -  [SOT-23]  254.69 23.5 270 top
MMBTA42#483  -  [SOT-23]  78.7 71.5 270 top
MMBTA42#484  -  [SOT-23]  78.7 119.5 270 top
MMBTA42#485  -  [SOT-23]  182.69 7.5 270 top
MMBTA42#486  -  [SOT-23]  6.7 71.5 270 top
MMBTA42#487  -  [SOT-23]  54.69 119.5 270 top
MMBTA42#488  -  [SOT-23]  198.7 7.5 270 top
MMBTA42#489  -  [SOT-23]  134.7 47.5 270 top
MMBTA42#490  -  [SOT-23]  238.69 95.5 270 top
MMBTA42#491  -  [SOT-23]  110.69 31.5 270 top
MMBTA42#492  -  [SOT-23]  150.7 23.5 270 top
MMBTA42#493  -  [SOT-23]  214.7 87.5 270 top
MMBTA42#494  -  [SOT-23]  150.7 119.5 270 top
MMBTA42#495  -  [SOT-23]  30.69 87.5 270 top
MMBTA42#496  -  [SOT-23]  118.69 119.5 270 top
MMBTA42#497  -  [SOT-23]  22.7 119.5 270 top
MMBTA42#498  -  [SOT-23]  70.7 55.5 270 top
MMBTA42#499  -  [SOT-23]  46.69 7.5 270 top
MMBTA42#500  -  [SOT-23]  142.7 95.5 270 top
MMBTA42#501  -  [SOT-23]  78.7 31.5 270 top
MMBTA42#502  -  [SOT-23]  6.7 79.5 270 top
MMBTA42#503  -  [SOT-23]  254.69 63.5 270 top
MMBTA42#504  -  [SOT-23]  6.7 31.5 270 top
MMBTA42#505  -  [SOT-23]  206.7 15.5 270 top
MMBTA42#506  -  [SOT-23]  22.7 95.5 270 top
MMBTA42#507  -  [SOT-23]  54.69 55.5 270 top
MMBTA42#508  -  [SOT-23]  246.69 95.5 270 top
MMBTA42#509  -  [SOT-23]  118.69 79.5 270 top
MMBTA42#510  -  [SOT-23]  30.69 111.5 270 top
MMBTA42#511  -  [SOT-23]  214.7 95.5 270 top
MMBTA42#512  -  [SOT-23]  246.69 23.5 270 top
REF**  INS-1  [INS-1 Footprint]  142.7 23.5 0 top
REF**#2  INS-1  [INS-1 Footprint]  182.69 95.5 0 top
REF**#3  INS-1  [INS-1 Footprint]  238.69 47.5 0 top
REF**#4  INS-1  [INS-1 Footprint]  230.69 23.5 0 top
REF**#5  INS-1  [INS-1 Footprint]  70.7 63.5 0 top
REF**#6  INS-1  [INS-1 Footprint]  38.69 31.5 0 top
REF**#7  INS-1  [INS-1 Footprint]  254.69 103.5 0 top
REF**#8  INS-1  [INS-1 Footprint]  14.7 7.5 0 top
REF**#9  INS-1  [INS-1 Footprint]  126.69 103.5 0 top
REF**#10  INS-1  [INS-1 Footprint]  6.7 15.5 0 top
REF**#11  INS-1  [INS-1 Footprint]  94.69 119.5 0 top
REF**#12  INS-1  [INS-1 Footprint]  254.69 95.5 0 top
REF**#13  INS-1  [INS-1 Footprint]  134.7 95.5 0 top
REF**#14  INS-1  [INS-1 Footprint]  78.7 63.5 0 top
REF**#15  INS-1  [INS-1 Footprint]  62.69 7.5 0 top
REF**#16  INS-1  [INS-1 Footprint]  190.69 95.5 0 top
REF**#17  INS-1  [INS-1 Footprint]  230.69 103.5 0 top
REF**#18  INS-1  [INS-1 Footprint]  222.69 55.5 0 top
REF**#19  INS-1  [INS-1 Footprint]  6.7 55.5 0 top
REF**#20  INS-1  [INS-1 Footprint]  206.7 55.5 0 top
REF**#21  INS-1  [INS-1 Footprint]  102.69 103.5 0 top
REF**#22  INS-1  [INS-1 Footprint]  150.7 87.5 0 top
REF**#23  INS-1  [INS-1 Footprint]  190.69 119.5 0 top
REF**#24  INS-1  [INS-1 Footprint]  46.69 23.5 0 top
REF**#25  INS-1  [INS-1 Footprint]  94.69 47.5 0 top
REF**#26  INS-1  [INS-1 Footprint]  150.7 127.5 0 top
REF**#27  INS-1  [INS-1 Footprint]  78.7 39.5 0 top
REF**#28  -  [MountingHole_2.2mm_M2]  258.5 131.5 0 top
REF**#29  INS-1  [INS-1 Footprint]  166.69 95.5 0 top
REF**#30  INS-1  [INS-1 Footprint]  214.7 119.5 0 top
REF**#31  INS-1  [INS-1 Footprint]  238.69 71.5 0 top
REF**#32  INS-1  [INS-1 Footprint]  182.69 39.5 0 top